# Altium PCB bqZUM_BT_328.PcbDoc (part 1 of 2)
Units mm, origin at the board's own origin, x right, y up, seen from the top; angles counter-clockwise.
Board outline 68.58 x 53.34 mm, 2 copper layers (Top Layer, Bottom Layer), stack 1.571 mm thick; 101 components, 75 nets, 426 pads, 143 vias.
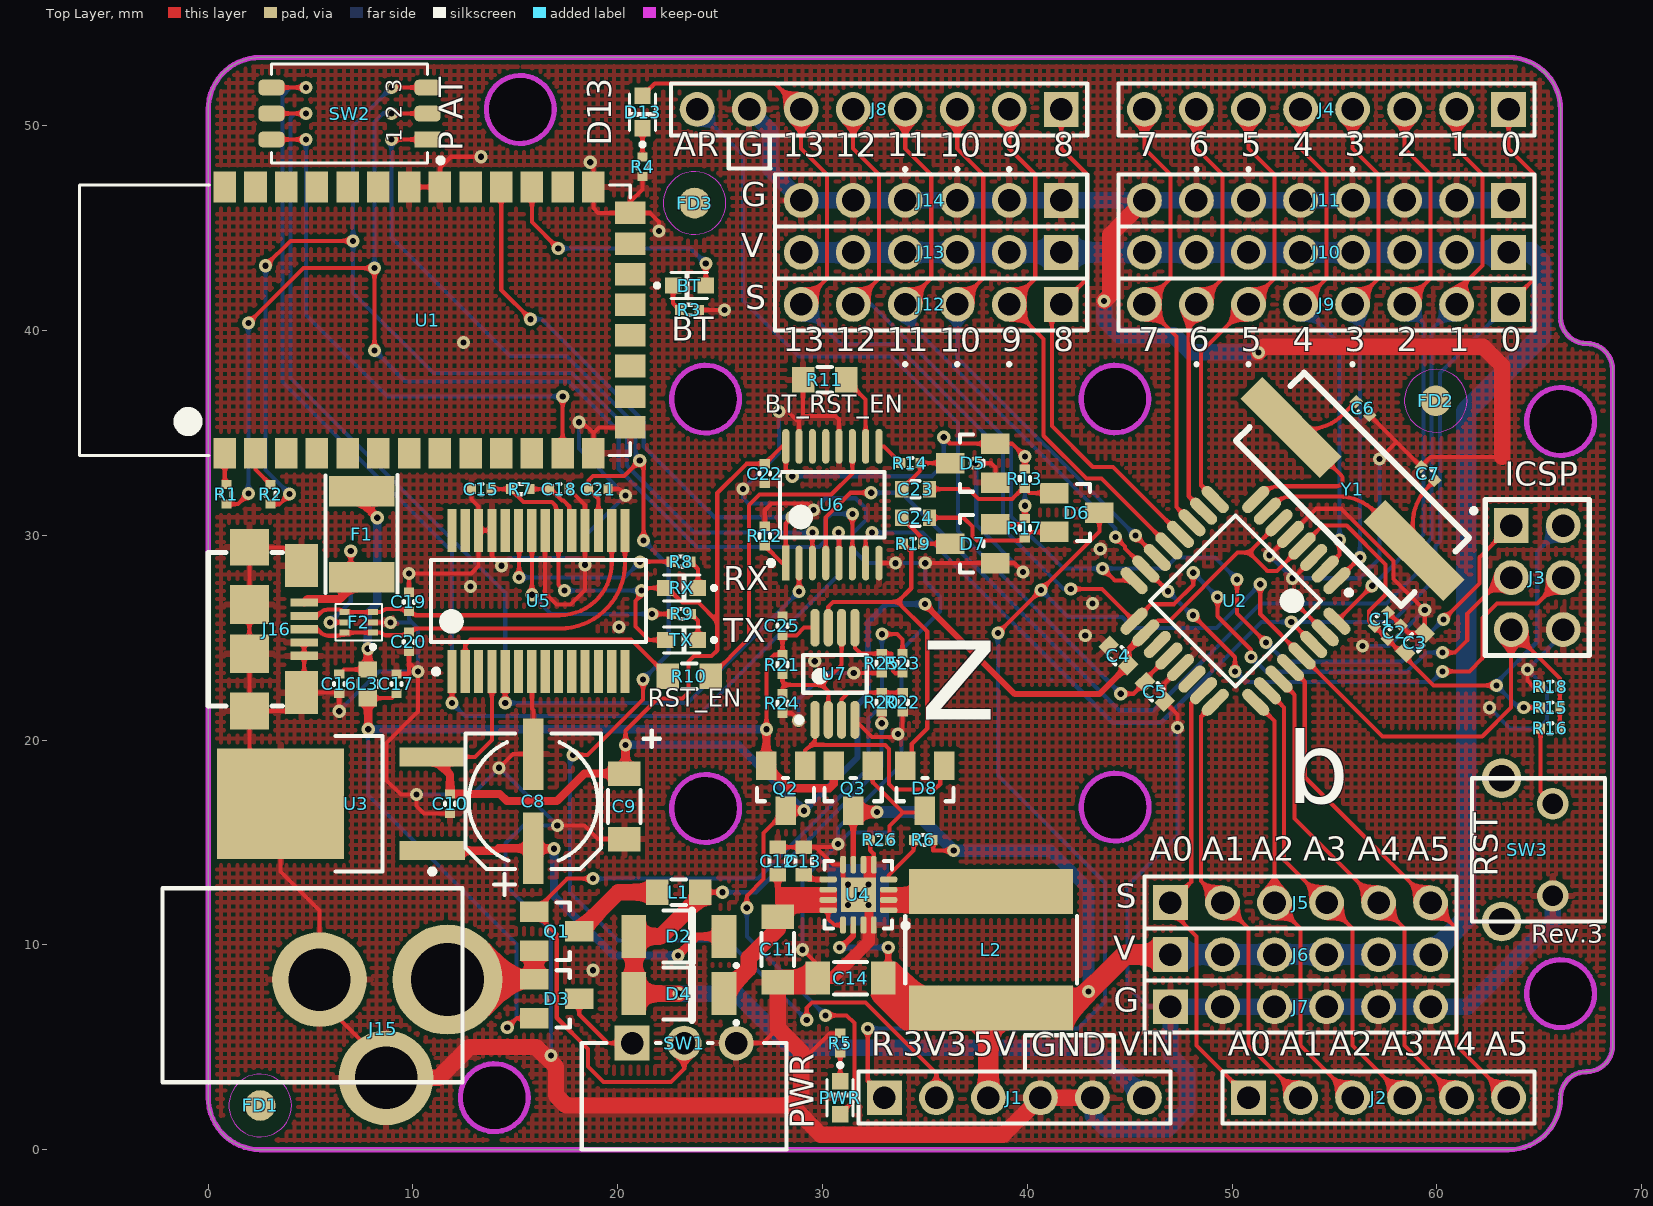
[diagram p0: Top Layer view]
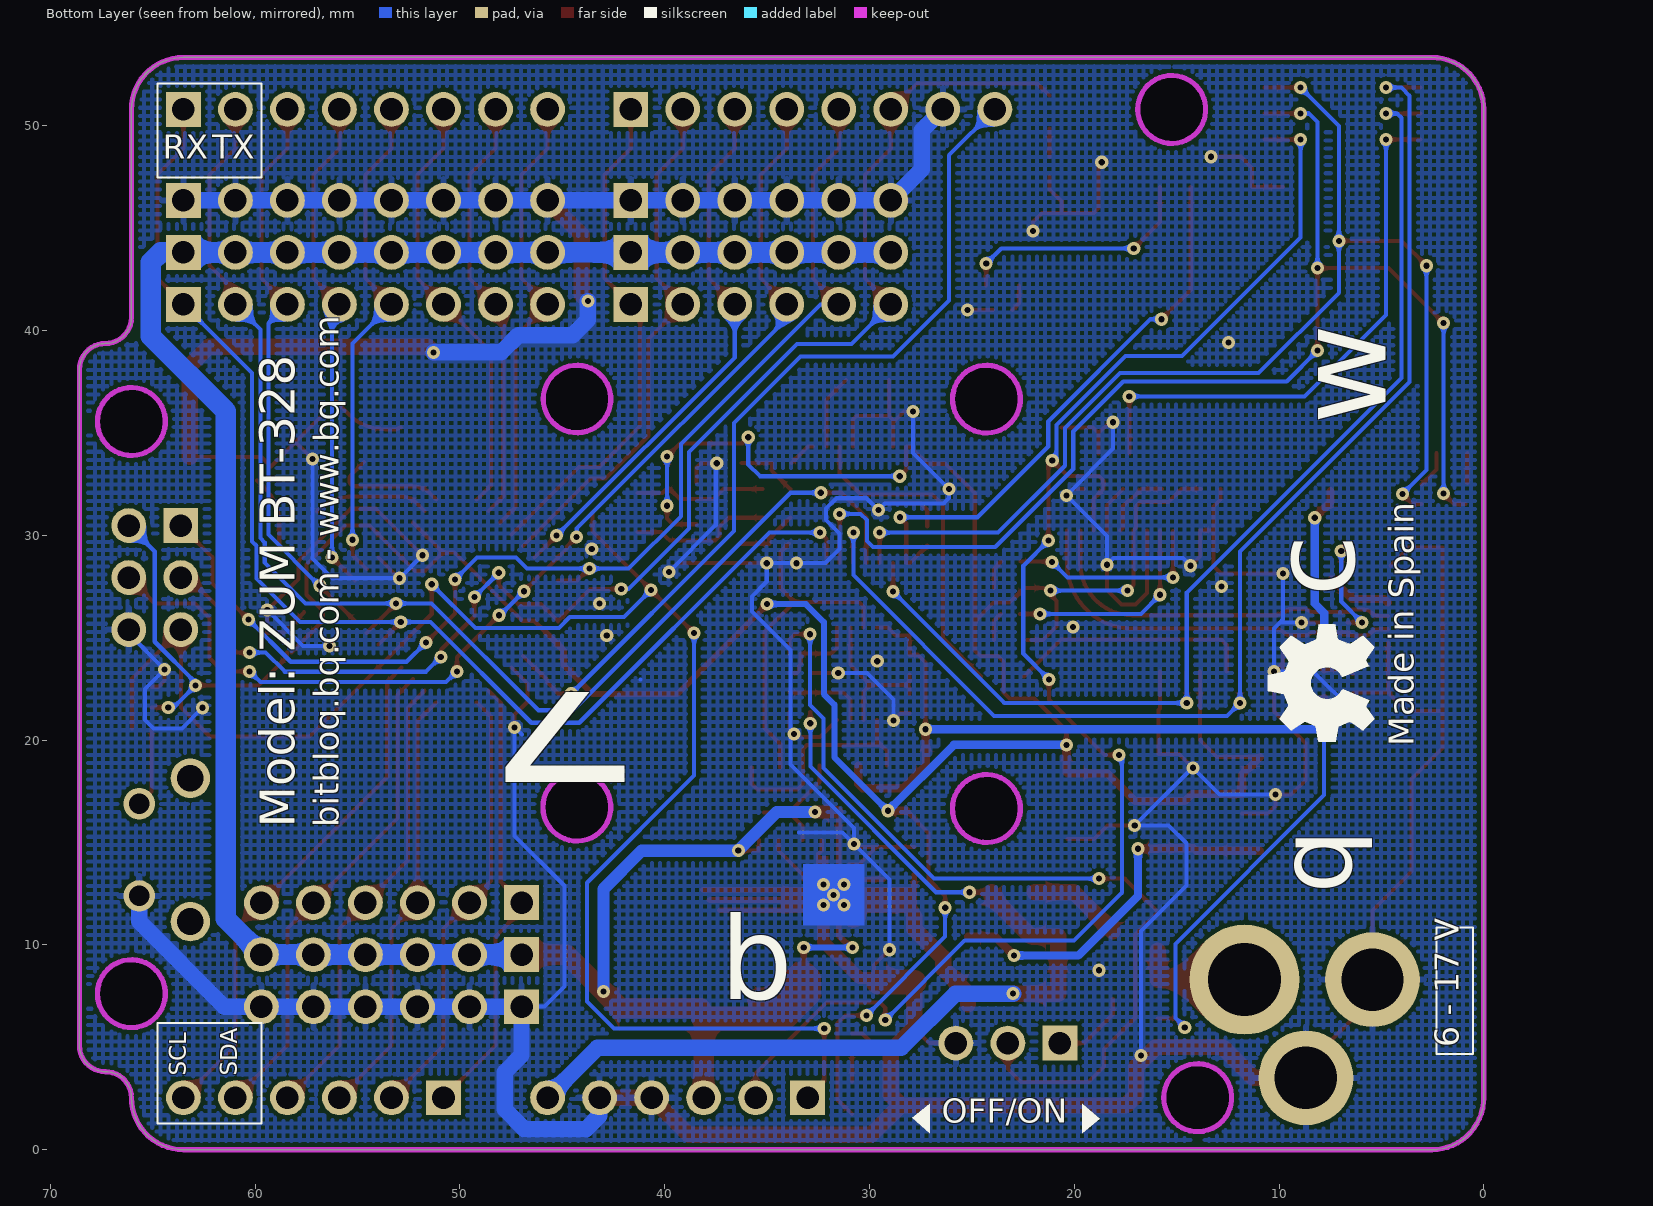
[diagram p1: Bottom Layer view, seen from below]

## Layer stack, top to bottom
Top Solder: solder mask 0.0102, Solder Resist, Dk 3.5
Top Layer: signal copper 0.0356
Dielectric 1: dielectric 1.5, FR-4, Dk 4.8
Bottom Layer: signal copper 0.0356
Bottom Solder: solder mask 0.0102, Solder Resist, Dk 3.5

## Board outline
0,2.54 0,50.8 cw(c2.54,50.8) 2.54,53.34 63.5,53.34 cw(c63.5,50.8) 66.04,50.8 66.04,40.64 ccw(c67.31,40.64) 67.31,39.37 cw(c67.31,38.1) 68.58,38.1 68.58,5.08 cw(c67.31,5.08) 67.31,3.81 ccw(c67.31,2.54) 66.04,2.54 cw(c63.5,2.54) 63.5,0 2.54,0 cw(c2.54,2.54)
cut-out: 12.319,2.54 ccw(c13.97,2.54) 13.97,0.889 ccw(c13.97,2.54) 15.621,2.54 ccw(c13.97,2.54) 13.97,4.191 ccw(c13.97,2.54)
cut-out: 22.639,36.67 ccw(c24.29,36.67) 24.29,35.019 ccw(c24.29,36.67) 25.941,36.67 ccw(c24.29,36.67) 24.29,38.321 ccw(c24.29,36.67)
cut-out: 42.639,36.67 ccw(c44.29,36.67) 44.29,35.019 ccw(c44.29,36.67) 45.941,36.67 ccw(c44.29,36.67) 44.29,38.321 ccw(c44.29,36.67)
cut-out: 42.639,16.67 ccw(c44.29,16.67) 44.29,15.019 ccw(c44.29,16.67) 45.941,16.67 ccw(c44.29,16.67) 44.29,18.321 ccw(c44.29,16.67)
cut-out: 22.639,16.67 ccw(c24.29,16.67) 24.29,15.019 ccw(c24.29,16.67) 25.941,16.67 ccw(c24.29,16.67) 24.29,18.321 ccw(c24.29,16.67)
cut-out: 13.589,50.8 ccw(c15.24,50.8) 15.24,49.149 ccw(c15.24,50.8) 16.891,50.8 ccw(c15.24,50.8) 15.24,52.451 ccw(c15.24,50.8)
cut-out: 64.389,35.56 ccw(c66.04,35.56) 66.04,33.909 ccw(c66.04,35.56) 67.691,35.56 ccw(c66.04,35.56) 66.04,37.211 ccw(c66.04,35.56)
cut-out: 64.389,7.62 ccw(c66.04,7.62) 66.04,5.969 ccw(c66.04,7.62) 67.691,7.62 ccw(c66.04,7.62) 66.04,9.271 ccw(c66.04,7.62)

## Design rules (kind name [scope] priority, off if disabled: settings)
Clearance Clearance_KO [OnLayer('Keep-Out Layer')] p1: gap=0.2
Clearance [All] p2: gap=0.2
DiffPairsRouting [All] p1: maxlimit=4 minlimit=0.4 mostfreqgap=0.4 toplayer_minwidth=0.2 toplayer_maxwidth=4 toplayer_prefwidth=0.2 bottomlayer_minwidth=0.2 bottomlayer_maxwidth=4 bottomlayer_prefwidth=0.2 maxuncoupledlength=12.7
HoleSize [All] p1: absolutevalues=TRUE maxlimit=3.6 minlimit=0.3 maxpercent=80.000 minpercent=20.000
MinimumSolderMaskSliver [All] p1: minsoldermaskwidth=0.07
PlaneClearance [All] p1: clearance=0.2
PlaneConnect [All] p1: planeconnectstyle=Relief reliefexpansion=0.64 reliefentries=4 reliefconductorwidth=0.3 reliefairgap=0.2
PolygonConnect [(InComponentClass('All Components'))] p1: connectstyle=Relief reliefconductorwidth=0.3 reliefentries=4 polygonreliefangle="90 Angle" airgapwidth=0.2
PolygonConnect PolygonConnect_Via [All] p2: connectstyle=Direct reliefconductorwidth=0.254 reliefentries=4 polygonreliefangle="90 Angle" airgapwidth=0.254
RoutingVias [All] p1: holewidth=0.3 width=0.64 viastyle="Through Hole" minholewidth=0.3 minwidth=0.64 maxholewidth=1 maxwidth=1.5
SilkToBoardRegionClearance [All] p1 off:
SilkToSilkClearance [All] p1: silktosilkclearance=0.1
SilkToSolderMaskClearance [IsPad] p1: minsilkscreentomaskgap=0 clearancetoexposedcopper=TRUE
SolderMaskExpansion [All] p1: expansion=0.08
UnpouredPolygon [All] p1: allowunpoured=FALSE
Width [All] p1: maxlimit=1.6 minlimit=0.2 preferedwidth=0.2
21 further rules are at their usual default settings.

## Classes and differential pairs
component class U_bqZUM_PowerManager: C24 D8 Q2 Q3 R20 R21 R22 R23 R24 R25 R26 U7
component class U_bqZUM_Autoreset: C23 C24 D5 D6 D7 R13 R14 R15 R16 R17 R18 R19 SW3
component class bqZUM_BT_328: FD1 FD2 FD3
net class D[13..0]: D0 D1 D2 D3 D4 D5 D6 D7 D8 D9 D10 D11 D12 D13
net class A[5..0]: A0 A1 A2 A3 A4 A5
component class U_bqZUM_USB: C15 C16 C17 C18 C19 C20 C21 F1 F2 J16 L3 R7 R8 R9 RX TX U5
component class U_bqZUM_usbBtAdapter: C22 R10 R11 R12 SW2 U6
component class U_bqZUM_Power: C8 C9 C10 C11 C12 C13 C14 D2 D3 D4 J15 L1 L2 PWR Q1 R5 R6 SW1 U3 U4
component class U_bqZUM_MCU: C1 C2 C3 C4 C5 C6 C7 D13 J1 J2 J3 J4 J5 J6 J7 J8 J9 J10 J11 J12 J13 J14 R4 U2 Y1
component class U_bqZUM_Bluetooth: BT R1 R2 R3 U1
differential pair USB_MCU: +USB_MCU_P -USB_MCU_N

## Components (designator, comment, footprint, x,y, rotation, side; value= is the part's Value field where it differs from the comment)
BT "Blue" LED0603 23.5,42.2 r270 top
C1 "Capacitor" C0402 57.277,25.908 r225 top
C2 "Capacitor" C0402 57.912,25.273 r225 top
C3 "Capacitor" C0603 58.928,24.765 r225 top
C4 "Capacitor" C0603 44.45,24.13 r315 top
C5 "Capacitor" C0603 46.228,22.352 r135 top
C6 "Capacitor" C0402 56.388,36.195 r135 top
C7 "Capacitor" C0402 59.563,33.02 r315 top
C8 "Electrolytic" CASE_D_7.7 15.875,17.018 r90 top
C9 "Tantalum" C1206 20.32,16.764 r270 top
C10 "Capacitor" C0402 11.811,16.891 r90 top
C11 "Capacitor" C1206 27.813,9.779 r90 top
C12 "Capacitor" C0603 27.813,14.097 r270 top
C13 "Capacitor" C0603 29.083,14.097 r270 top
C14 "Capacitor" C1206 31.369,8.382 r0 top
C15 "Capacitor" C0402 13.335,32.258 r0 top
C16 "Capacitor" C0402 6.397,22.75 r90 top
C17 "Capacitor" C0402 9.191,22.75 r270 top
C18 "Capacitor" C0402 17.145,32.258 r180 top
C19 "Capacitor" C0402 9.8,26.75 r270 top
C20 "Capacitor" C0402 9.8,24.8 r90 top
C21 "Capacitor" C0402 19.05,32.258 r0 top
C22 "Capacitor" C0402 27.178,33.02 r270 top
C23 "Capacitor" C0603 34.544,32.258 r0 top
C24 "Capacitor" C0603 34.544,30.861 r0 top
C25 "Capacitor" C0402 28.044,25.583 r90 top
D2 "PMEG3030EP" SOD128 22.987,10.414 r0 top
D3 "BAT54C-G3-08" SOT23-3 17.02,7.365 r90 top
D4 "PMEG3030EP" SOD128 22.987,7.62 r0 top
D5 "BAT54S" SOT23-3 37.338,33.528 r270 top
D6 "BAT54A-G3-08" SOT23-3 42.418,31.115 r90 top
D7 "BAT54S" SOT23-3 37.338,29.591 r270 top
D8 "BAT54C-G3-08" SOT23-3 34.999,17.653 r0 top
D13 "Green" LED0603 21.209,50.673 r0 top
F1 "PTC_Fuse" F1812 7.49,30.05 r90 top
F2 "ESDUSB" SOT563 7.35,25.75 r180 top
FD1 "Fiducial" Fiducial 2.54,2.159 r0 top
FD2 "Fiducial" Fiducial 59.944,36.576 r0 top
FD3 "Fiducial" Fiducial 23.749,46.228 r0 top
J1 "1x6 Socket Header 2.54mm" "1x6 Socket Header THT 2.54mm" 33.02,2.54 r0 top
J2 "1x6 Socket Header 2.54mm" "1x6 Socket Header THT 2.54mm" 50.8,2.54 r0 top
J3 "2x3 pin Header 2.54mm" "2x3 Pin Header 2.54" 63.627,30.48 r270 top
J4 "1x8 Socket Header 2.54mm" "1x8 Socket Header THT 2.54mm" 63.5,50.8 r180 top
J5 "1x6 pin Header 2.54mm" "1x6 Pin Header 2.54" 46.99,12.065 r0 top
J6 "1x6 pin Header 2.54mm" "1x6 Pin Header 2.54" 46.99,9.525 r0 top
J7 "1x6 pin Header 2.54mm" "1x6 Pin Header 2.54" 46.99,6.985 r0 top
J8 "1x8 Socket Header 2.54mm" "1x8 Socket Header THT 2.54mm" 41.656,50.8 r180 top
J9 "1x8 pin Header 2.54mm" "1x8 Pin Header 2.54" 63.5,41.275 r180 top
J10 "1x8 pin Header 2.54mm" "1x8 Pin Header 2.54" 63.5,43.815 r180 top
J11 "1x8 pin Header 2.54mm" "1x8 Pin Header 2.54" 63.5,46.355 r180 top
J12 "1x6 pin Header 2.54mm" "1x6 Pin Header 2.54" 41.656,41.275 r180 top
J13 "1x6 pin Header 2.54mm" "1x6 Pin Header 2.54" 41.656,43.815 r180 top
J14 "1x6 pin Header 2.54mm" "1x6 Pin Header 2.54" 41.656,46.355 r180 top
J15 "Power_Jack" "Jack 2.1" 11.684,8.306 r270 top
J16 "USB_Micro_Type_B" USB_Micro_B 3.349,25.417 r270 top
L1 "742792012" L0805 22.987,12.573 r0 top
L2 "2,2uH 6,3A" SRN8040 38.23,9.76 r270 top
L3 "BLM18SG121TN1D" L0603 7.794,22.75 r270 top
PWR "Green" LED0603 30.861,2.54 r180 top
Q1 "DMP3098L-7" SOT23-3 17.019,10.668 r90 top
Q2 "DMP2035U-7" SOT23-3 28.194,17.653 r0 top
Q3 "DMP2035U-7" SOT23-3 31.496,17.653 r0 top
R1 "Resistor" R0402 0.889,32.004 r270 top
R2 "Resistor" R0402 3.048,32.004 r270 top
R3 "Resistor" R0402 23.5,41.01 r180 top
R4 "Resistor" R0402 21.209,48.006 r90 top
R5 "Resistor" R0402 30.861,5.207 r270 top
R6 "Resistor" R0402 34.925,15.125 r0 top
R7 "Resistor" R0402 15.24,32.258 r180 top
R8 "Resistor" R0402 23.088,28.715 r0 top
R9 "Resistor" R0402 23.114,26.162 r0 top
R10 "Resistor" R0805 23.495,23.114 r0 top
R11 "Resistor" R0805 30.099,37.592 r0 top
R12 "Resistor" R0402 27.178,29.972 r270 top
R13 "Resistor" R0402 39.878,32.766 r90 top
R14 "Resistor" R0402 34.29,33.528 r0 top
R15 "Resistor" R0402 65.532,21.59 r180 top
R16 "Resistor" R0402 65.532,20.574 r0 top
R17 "Resistor" R0402 39.878,30.353 r90 top
R18 "Resistor" R0402 65.532,22.606 r0 top
R19 "Resistor" R0402 34.417,29.591 r0 top
R20 "Resistor" R0402 32.893,21.844 r270 top
R21 "Resistor" R0402 28.044,23.69 r90 top
R22 "Resistor" R0402 33.911,21.844 r90 top
R23 "Resistor" R0402 33.906,23.749 r90 top
R24 "Resistor" R0402 28.044,21.79 r90 top
R25 "Resistor" R0402 32.893,23.749 r90 top
R26 "Resistor" R0402 32.802,15.125 r0 top
RX "Green" LED0603 23.114,27.432 r90 top
SW1 "SPDT Switch" "Slide SW SPDT Right Angle" 20.701,5.207 r0 top
SW2 "SW DIP3 Vertical SMD" "SW DIP3 SMD 1.27" 6.9,50.6 r90 top
SW3 "Switch" SW_Vert_THT_7.5x6x6.5 65.659,16.891 r270 top
TX "Red" LED0603 23.114,24.892 r90 top
U1 "BC04-B" BC04-B 10.64,40.51 r90 top
U2 "ATMEGA328P" TQFP32 50.165,26.797 r225 top
U3 "TL720M05QKVURQ1" TO-252 5.461,16.891 r180 top
U4 "TPS62133RGTR" QFN16 31.75,12.446 r180 top
U5 "FT232RL REEL" SSOP28 16.129,26.797 r90 top
U6 "SN74CBT3257CPWR" TSSOP16 30.48,31.496 r0 top
U7 "LMV612MM/NOPB" VSSOP8 30.607,23.241 r90 top
Y1 "ABLS-16.000MHZ-B4-T" "XTAL 11.4x4.7" 55.88,32.258 r315 top

## Footprints (in the part's own frame and the unit in brackets; to place one, negate y for a bottom-side part, rotate by r counter-clockwise, add the part's x,y. Pads: shape width x height; smd on the part's side, far side on the other; paste and mask are expansions set on the pad)
"1x6 Pin Header 2.54" [mm] "6 pin Header pitch 2.54mm"
  rect 1.7x1.7 hole 1.1: 1(0,0)
  round 1.7 hole 1.1: 2(2.54,0) 3(5.08,0) 4(7.62,0) 5(10.16,0) 6(12.7,0)
  silkscreen extent -1.27,-1.27 13.97,1.27, body extent -1.26,-1.25 13.98,1.29, height 8.43
"1x6 Socket Header THT 2.54mm" [mm] "6 Socket Header pitch 2.54mm"
  rect 1.7x1.7 hole 1.1: 1(0,0)
  round 1.7 hole 1.1: 2(2.54,0) 3(5.08,0) 4(7.62,0) 5(10.16,0) 6(12.7,0)
  silkscreen extent -1.27,-1.27 13.97,1.27, body extent -1.39,-1.25 14.1,1.25, height 8.5
"1x8 Pin Header 2.54" [mm] "8 pin Header pitch 2.54mm"
  rect 1.7x1.7 hole 1.1: 1(0,0)
  round 1.7 hole 1.1: 2(2.54,0) 3(5.08,0) 4(7.62,0) 5(10.16,0) 6(12.7,0) 7(15.24,0) 8(17.78,0)
  silkscreen extent -1.27,-1.27 19.05,1.27, body extent -1.26,-1.25 19.06,1.29, height 8.43
"1x8 Socket Header THT 2.54mm" [mm] "8 Socket Header pitch 2.54mm"
  rect 1.7x1.7 hole 1.1: 1(0,0)
  round 1.7 hole 1.1: 2(2.54,0) 3(5.08,0) 4(7.62,0) 5(10.16,0) 6(12.7,0) 7(15.24,0) 8(17.78,0)
  silkscreen extent -1.27,-1.27 19.05,1.27, body extent -1.4,-1.23 19.17,1.27, height 8.5
"2x3 Pin Header 2.54" [mm] "6 dual pin Header pitch 2.54mm"
  rect 1.7x1.7 hole 1.1: 1(0,0)
  round 1.7 hole 1.1: 2(0,2.54) 3(2.54,0) 4(2.54,2.54) 5(5.08,0) 6(5.08,2.54)
  silkscreen extent -1.27,-1.27 6.35,3.81, body extent -1.25,-1.27 6.37,3.81, height 5.94
BC04-B [mm] "BC04-B Bluetooth Module"
  rect 1.5x1.1 smd: 1(-6.5,9.831) 2(-6.5,8.33) 3(-6.5,6.83) 4(-6.5,5.33) 5(-6.5,3.831) 6(-6.5,2.331) 7(-6.5,0.831) 8(-6.5,-0.67) 9(-6.5,-2.17) 10(-6.5,-3.669) 11(-6.5,-5.169) 12(-6.5,-6.669) 13(-6.5,-8.17) 22(6.5,-8.17) 23(6.5,-6.669) 24(6.5,-5.169) 25(6.5,-3.669) 26(6.5,-2.17) 27(6.5,-0.67) 28(6.5,0.831) 29(6.5,2.331) 30(6.5,3.831) 31(6.5,5.33) 32(6.5,6.83) 33(6.5,8.33) 34(6.5,9.831)
  rect 1.1x1.5 smd: 14(-5.24,-9.97) 15(-3.74,-9.97) 17(-0.74,-9.97) 18(0.74,-9.97) 19(2.24,-9.97) 20(3.74,-9.97) 21(5.24,-9.97)
  rect 1.1x1.5 smd paste+0: 16(-2.24,-9.97)
  silkscreen extent -6.6,-9.97 6.6,16.93, body extent -6.5,-9.97 6.5,16.93, height 2.4
C0402 [mm] "Chip Capacitor, Body 1.0x0.5mm, IPC High Density"
  rect 0.45x0.5 smd: 1(-0.475,0) 2(0.475,0)
  silkscreen extent -0.05,-0.25 0.05,0.25, body extent -0.51,-0.25 0.49,0.25, height 0.5
C0603 [mm] "Chip Capacitor, Body 1.6x0.8mm, IPC High Density"
  rect 0.65x0.8 smd: 1(-0.675,0) 2(0.675,0)
  silkscreen extent -0.2,-0.4 0.2,0.4, body extent -0.81,-0.4 0.79,0.4, height 0.6
C1206 [mm] "Chip Capacitor, Body 3.2x1.6mm, IPC High Density"
  rect 1.2x1.6 smd: 1(-1.6,0) 2(1.6,0)
  silkscreen extent -0.8,-0.8 0.8,0.79, body extent -1.59,-0.8 1.61,0.8, height 1
CASE_D_7.7 [mm] "SMD Al Capacitor, Flat 6.6x6.6mm, Diameter 6.3mm"
  rect 3.5x1 smd: 1(-2.3,0) 2(2.3,0)
  silkscreen extent -4.57,-3.3 3.3,3.3, body extent -3.5,-3.3 3.5,3.3, height 7.7
F1812 [mm] "PTC Resettable Fuse 1812 package  4.55mm x 3.24mm"
  rect 1.5x3.2 smd: 1(-2.1,0) 2(2.1,0)
  silkscreen extent -2.87,-1.75 2.9,1.75, body extent -2.36,-1.7 2.37,1.71, height 1.34
Fiducial [mm] "Marcas Fiduciales para montador"
  round 1.5 smd paste+0 mask+0.75: ""(0,0)
  Top Layer keep-out circle w0.05: c0,0 r1.53
"Jack 2.1" [mm] "DC Power Jack 2,1mm"
  round 5.38 hole 3.56: 1(0,0)
  round 4.62 hole 3.05: 2(4.8,-3) 3(0,-6.25)
  silkscreen extent -4.46,-13.91 5.01,0.73, body extent -4.44,-13.86 5.08,0.74, height 10.92
L0603 [mm] "Chip Inductor, Body 1.6x0.8mm, IPC High Density"
  rect 0.8x0.9 smd: 1(-0.7,0) 2(0.7,0)
  silkscreen extent -0.21,-0.5 0.21,0.5, body extent -0.81,-0.4 0.79,0.4, height 0.6
L0805 [mm] "Chip Inductor Body 2.0x1.25mm, IPC High Density"
  rect 1.1x1.25 smd: 1(-1.05,0) 2(1.05,0)
  silkscreen extent -0.35,-0.62 0.35,0.62, body extent -0.98,-0.62 1.02,0.63, height 0.78
LED0603 [mm] "0603 1.6x0.8mm"
  rect 0.8x0.8 smd: A(0,0.8) K(0,-0.8)
  silkscreen extent -0.64,-1.69 0.64,0.89, body extent -0.37,-0.81 0.36,0.84, height 0.68
QFN16 [mm] "QFN 16-Lead, 3x3mm body, IPC Medium Density"
  rrect70% 0.85x0.28 smd mask+0.07: 1(-1.475,0.75) 2(-1.475,0.25) 3(-1.475,-0.25) 4(-1.475,-0.75) 9(1.475,-0.75) 10(1.475,-0.25) 11(1.475,0.25) 12(1.475,0.75)
  rrect70% 0.28x0.85 smd mask+0.07: 5(-0.75,-1.475) 6(-0.25,-1.475) 7(0.25,-1.475) 8(0.75,-1.475) 13(0.75,1.475) 14(0.25,1.475) 15(-0.25,1.475) 16(-0.75,1.475)
  rect 1.7x1.7 smd mask+0.05: 16(0,0)
  silkscreen extent -2.43,-1.65 1.65,1.65, body extent -1.5,-1.5 1.5,1.5, height 0.9
R0402 [mm] "Chip Resistor, Body 1.0x0.5mm, IPC High Density"
  rect 0.45x0.5 smd: 1(-0.475,0) 2(0.475,0)
  silkscreen extent -0.1,-0.25 0.1,0.25, body extent -0.5,-0.25 0.5,0.25, height 0.3
R0805 [mm] "Chip Resistor, Body 2.0x1.25mm, IPC High Density"
  rect 1.1x1.25 smd: 1(-1.05,0) 2(1.05,0)
  silkscreen extent -0.35,-0.62 0.35,0.62, body extent -0.98,-0.62 1.02,0.63, height 0.39
"Slide SW SPDT Right Angle" [mm] "3 pin SPDT Right Angle Switch pitch 2.54mm"
  rect 1.7x1.7 hole 1.1: 1(0,0)
  round 1.7 hole 1.1: 2(2.54,0) 3(5.08,0)
  silkscreen extent -2.46,-5.2 7.54,0, body extent -2.47,-7.19 7.53,0.32, height 2.5
SOD128 [mm] "Small Outline 2.7x4mm"
  rect 1.2x2.1 smd: A(-2.2,0) K(2.2,0)
  silkscreen extent -0.75,-1.47 2.85,1.27, body extent -2.61,-1.35 2.59,1.35, height 1.11
SOT23-3 [mm] "SOT23, 3-Leads, Body 2.9x1.3mm, Pitch 0.95mm, Lead Span 2.5mm, IPC High Density"
  rect 1x1.4 smd: 1(0.95,1.1) 2(-0.95,1.1) 3(0,-1.1)
  silkscreen extent -1.4,-0.64 1.4,0.51, body extent -1.44,-1.45 1.46,1.35, height 1.07
SOT563 [mm] "SOT563, 6-Leads, Body 1,60x1,20mm, Pitch 0,50mm, IPC Medium Density"
  rect 0.5x0.3 smd paste+0 mask+0.05: 1(-0.7,0.5) 2(-0.7,0) 3(-0.7,-0.5) 4(0.7,-0.5) 5(0.7,0) 6(0.7,0.5)
  silkscreen extent -1.14,-0.89 1.14,1.3, body extent -0.8,-0.8 0.8,0.8, height 0.55
SRN8040 [mm] "SRN8040 Series Inductor, 2-Leads, Body 8,00x8,00mm, IPC Medium Density"
  rect 2.2x8 smd: 1(-2.85,0) 2(2.85,0)
  silkscreen extent -1.65,-4.19 1.65,4.19, body extent -4.01,-4 4.01,4, height 4
SSOP28 [mm] "SSOP 28-pin, 7.80mm width, 10.20mm length, 2mm height"
  rect 2.1x0.45 smd mask+0.05: 1(-3.45,4.225) 2(-3.45,3.575) 3(-3.45,2.925) 4(-3.45,2.275) 5(-3.45,1.625) 6(-3.45,0.975) 7(-3.45,0.325) 8(-3.45,-0.325) 9(-3.45,-0.975) 10(-3.45,-1.625) 11(-3.45,-2.275) 12(-3.45,-2.925) 13(-3.45,-3.575) 14(-3.45,-4.225) 15(3.45,-4.225) 16(3.45,-3.575) 17(3.45,-2.925) 18(3.45,-2.275) 19(3.45,-1.625) 20(3.45,-0.975) 21(3.45,-0.325) 22(3.45,0.325) 23(3.45,0.975) 24(3.45,1.625) 25(3.45,2.275) 26(3.45,2.925) 27(3.45,3.575) 28(3.45,4.225)
  silkscreen extent -3.57,-5.25 2,5.25, body extent -4.04,-5.25 4.18,5.25, height 1.92
"SW DIP3 SMD 1.27" [mm] "SWITCH 3 POS SMD 1.27mm pitch"
  rect 0.76x1.27 smd: 1(-1.27,-3.81)
  rrect50% 0.76x1.27 smd: 2(0,-3.81) 3(1.27,-3.81) 4(1.27,3.81) 5(0,3.81) 6(-1.27,3.81)
  silkscreen extent -2.41,-4.56 2.41,3.81, body extent -2.42,-4 2.43,4, height 2.1
SW_Vert_THT_7.5x6x6.5 [mm] "Vertical Switch THT"
  round 1.54 hole 1: 1(0,0) 2(4.5,0)
  round 1.93 hole 1.3: 3(-1.25,-2.5) 4(5.75,-2.5)
  silkscreen extent -1.25,-3.95 5.75,2.55, body extent -1.84,-3.95 6.34,3.85, height 7.1
TO-252 [mm] "TO-252, 3-Pads, Body 6,21x6,71mm (max), IPC Medium Density"
  rect 3.2x0.93 smd: 1(-5.478,2.29) 3(-5.478,-2.29)
  rect 6.2x5.4 smd: 2(1.922,0)
  silkscreen extent -5.6,-3.3 -0.76,3.43, body extent -5.81,-3.27 4.13,3.27, height 2.3
TQFP32 [mm] "Thin QFP, 32-Leads, Body 7x7mm, Pitch 0.8mm, IPC Medium Density"
  oval 1.65x0.55 smd: 1(-4.2,2.8) 2(-4.2,2) 3(-4.2,1.2) 4(-4.2,0.4) 5(-4.2,-0.4) 6(-4.2,-1.2) 7(-4.2,-2) 8(-4.2,-2.8) 17(4.2,-2.8) 18(4.2,-2) 19(4.2,-1.2) 20(4.2,-0.4) 21(4.2,0.4) 22(4.2,1.2) 23(4.2,2) 24(4.2,2.8)
  oval 0.55x1.65 smd: 9(-2.8,-4.2) 10(-2,-4.2) 11(-1.2,-4.2) 12(-0.4,-4.2) 13(0.4,-4.2) 14(1.2,-4.2) 15(2,-4.2) 16(2.8,-4.2) 25(2.8,4.2) 26(2,4.2) 27(1.2,4.2) 28(0.4,4.2) 29(-0.4,4.2) 30(-1.2,4.2) 31(-2,4.2) 32(-2.8,4.2)
  silkscreen extent -4.32,-2.95 2.95,3.75, body extent -4.47,-4.5 4.53,4.5, height 1.6
TSSOP16 [mm] "TSSOP, 16-Leads, Body 5.0x4.4mm, Pitch 0.65mm"
  rect 0.35x1.7 smd: 1(-2.275,-2.85)
  oval 0.35x1.7 smd: 2(-1.625,-2.85) 3(-0.975,-2.85) 4(-0.325,-2.85) 5(0.325,-2.85) 6(0.975,-2.85) 7(1.625,-2.85) 8(2.275,-2.85) 9(2.275,2.85) 10(1.625,2.85) 11(0.975,2.85) 12(0.325,2.85) 13(-0.325,2.85) 14(-0.975,2.85) 15(-1.625,2.85) 16(-2.275,2.85)
  silkscreen extent -3.12,-2.97 2.55,1.6, body extent -2.56,-3.23 2.54,3.17, height 1.2
USB_Micro_B [mm] "USB Micro Type B SMD"
  rect 0.4x1.35 smd: 1(-1.3,1.338) 2(-0.65,1.338) 3(0,1.338) 4(0.65,1.338) 5(1.3,1.338)
  rect 1.8x1.9 smd: S1(-4,-1.337) S4(4,-1.337)
  rect 1.9x1.9 smd: S2(-1.2,-1.337) S3(1.2,-1.337)
  rect 2.1x1.6 smd: S5(-3.1,1.213) S6(3.1,1.213)
  silkscreen extent -3.75,-3.35 3.75,0.26, body extent -4.1,-3.93 4.1,2, height 2.72
VSSOP8 [mm] "Plastic Small-Outline Package 3.1x5.05 mm"
  oval 1.85x0.45 smd mask+0.05: 1(-2.25,0.975) 2(-2.25,0.325) 3(-2.25,-0.325) 4(-2.25,-0.975) 5(2.25,-0.975) 6(2.25,-0.325) 7(2.25,0.325) 8(2.25,0.975)
  silkscreen extent -2.37,-1.55 0.92,1.87, body extent -1.55,-1.55 1.55,1.55, height 1.1
"XTAL 11.4x4.7" [mm] "Crystal Oscillator 2 pin SMD"
  rect 5.5x1.5 smd: 1(-4.25,0) 2(4.25,0)
  silkscreen extent -5.7,-2.35 5.7,2.35, body extent -6.2,-2.41 6.2,2.42, height 4.24

## Part data
BT: library part LTST-C194TBKT, "Light Emitting Diode"
C1: library part C0402_10nF_6V3_±10%
C2 C10 C15 C17 C18 C21 C22 C25: library part C0402_100nF_6V3_±10%
C3 C4 C5 C23 C24: library part C0603_1uF_16V_±10%
C6 C7: library part C0402_22pF_16V_±10%
C8: library part Cap_Al_100uF_25V, "Capacitor Electrolytic"
C9: library part 22uF_10V_±20%, "Tantalum Capacitor"
C11: library part C1206_10uF_50V_±20%
C12: library part C0603_100nF_25V_±10%
C13: library part C0603_620pF_25V_±5%
C14: library part C1206_22uF_10V_±20%
C16: library part C0402_10nF_16V_±10%
C19 C20: library part C0402_47pF_16V_±10%
D2 D4: "Diodo Schottky"
D3 D8: library part BAT54C, "Dual Schottky Diode Common Cathode"
D5 D7: "Dual Schottky Diode"
D6: library part BAT54A, "Dual Schottky Diode Common Anode"
D13 PWR RX: library part HSMG-C190, "Light Emitting Diode"
F1: library part "FUSE 0.5A 15V", "PTC Resettable Fuse"
F2: library part "USB ESD Single", "USB ESD Protection"
J1 J2: library part CON_SH_THT2.54_6, "6 pin Socket Header 2.54mm"
J3: library part CON_DPH_THT2.54_6, "6 pin Dual Header 2.54mm"
J4 J8: library part CON_SH_THT2.54_8, "8 pin Socket Header 2.54mm"
J5: library part "CON_PH_THT2.54_6 Blue"
J6 J13: library part "CON_PH_THT2.54_6 Red"
J7 J14: library part CON_PH_THT2.54_6
J9: library part "CON_PH_THT2.54_8 Natural"
J10: library part "CON_PH_THT2.54_8 Red"
J11: library part CON_PH_THT2.54_8
J12: library part "CON_PH_THT2.54_6 Natural"
J15: library part "DC Power Jack", "DC Power Jack"
J16: library part "Micro USB Type B SMD", "USB Micro B"
L1: library part L0805_33R_0,008R_4000mA
L2: library part 2,2uH_6,3A
L3: library part L0603_120R_0,025R_3000mA
Q1: library part DMP3098L, "Mosfet Channel P Enhancement Mode"
Q2 Q3: library part DMP2035U, "Mosfet Channel P Enhancement Mode"
R1 R2: library part R0402_220R_0.063W_±5%
R3: library part R0402_430R_0.063W_±5%
R4 R5 R8 R9: library part R0402_330R_0.063W_±5%
R6: library part R0402_100k_0.063W_±1%
R7: library part R0402_1k_0.063W_±5%
R10 R11: library part R0805_0R_0.125W_±5%
R12: library part R0402_47k_0.063W_±5%
R13 R15 R17: library part R0402_10k_0.063W_±5%
R14 R19: library part R0402_470R_0.063W_±5%
R16: library part R0402_33R_0.063W_±5%
R18: library part R0402_150k_0.063W_±5%
R20 R21: library part R0402_82k_0.063W_±1%
R22: library part R0402_18k_0.063W_±1%
R23: library part R0402_820k_0.063W_±1%
R24: library part R0402_20k_0.063W_±1%
R25: library part R0402_270k_0.063W_±1%
R26: library part R0402_51k_0.063W_±1%
SW1: library part "Switch SPDT"
SW2: library part "SW-DIP 3 SMD", "SWITCH TAPE SEAL 3 POS SMD"
SW3: library part "SW Vertical THT", "Micro miniature pushbutton surface Switch"
TX: library part HSMH-C190, "Light Emitting Diode"
U1: "BC04-B Bluetooth module"
U2: "8-bit AVR Microcontroller"
U3: library part TL720M05-Q1, "Standard 3pin LDO"
U4: library part TPS62133, "3A High Efficient Synchronous Step Down Converter with DCS™ Control"
U5: library part FT232RL, "IC USB TO SERIAL UART 28-SSOP"
U6: library part SN74CBT3257, "4-bit 1-of-2 FET multiplexer/demultiplexer"
U7: library part LMV612, "Dual Operational Amplifier"
Y1: library part "ABLS 16MHz", "Crystal"

## Free pads (board coordinates)
  round 1.524 hole 3.3 unplated: 0(13.97,2.54) 0(15.24,50.8) 0(24.29,16.67) 0(24.29,36.67) 0(44.29,16.67) 0(44.29,36.67) 0(66.04,7.62) 0(66.04,35.56)

## Via types
v1: diameter 0.64, hole 0.3, Top Layer to Bottom Layer, 143 vias

## Nets (pads, with @x,y where several pads share a name; then routed paths per layer and width w, separated by ;. In a path a pad name is that pad's centre, name@x,y a point inside that pad or via, vN(x,y) a via of type N, cw(c..) or ccw(c..) an arc to the next point about the centre after c; other vN are vias at no path point)
3V_SW: SW2.6 U1.12 | length 27.2
  Top Layer w0.2: SW2.6@3.09,49.33 v1(4.772,49.33) ; U1.12@17.309,34.01 17.309,36.784 v1(17.314,36.788)
  Bottom Layer w0.2: v1(4.772,49.33) 4.772,40.763 8.747,36.788 v1(17.314,36.788)
5V_HP: C14.2 J1.3 J6.1 J6.2 J6.3 J6.4 J6.5 J6.6 J10.1 J10.2 J10.3 J10.4 J10.5 J10.6 J10.7 J10.8 J13.1 J13.2 J13.3 J13.4 J13.5 J13.6 L2.2 Q3.3 R6.2 U4.7 U4.14 | length 135.8
  Top Layer w0.2: R6.2@35.4,15.125 35.4,14.605 v1(36.404,14.605)
  Top Layer w0.28: v1@30.821,9.837 v1(30.821,9.877) 30.929,9.877 31.5,10.448 U4.14@31.5,10.971 ; U4.7@31.5,13.921 Q3.3@31.5,16.549 ; C14.2@32.969,8.382 33.207,8.62 v1(33.207,9.877)
  Top Layer w0.6: Q3.3@31.563,16.486 v1(32.654,16.486)
  Top Layer w1: J1.3@38.1,2.54 L2.2@38.1,6.405 ; L2.2@38.23,6.91 42.159,6.91 44.774,9.525 J6.1@46.99,9.525
  Top Layer w1.2: L2.2@35.379,7.333 34.621,7.333 33.378,8.576 33.163,8.576 C14.2@32.969,8.382 32.969,7.624 34.188,6.405 L2.2@38.1,6.405
  Bottom Layer w0.28: v1(30.821,9.877) v1(33.207,9.877)
  Bottom Layer w0.6: v1(32.654,16.486) 34.523,16.486 v1(36.404,14.605) 41.119,14.605 42.99,12.734 v1(42.99,7.724)
  Bottom Layer w1: J13.6@28.956,43.815 J13.5@31.496,43.815 J13.4@34.036,43.815 J13.3@36.576,43.815 J13.2@39.116,43.815 J13.1@41.656,43.815 J10.8@45.72,43.815 J10.7@48.26,43.815 J10.6@50.8,43.815 J10.5@53.34,43.815 J10.4@55.88,43.815 J10.3@58.42,43.815 J10.2@60.96,43.815 J10.1@63.5,43.815 64.613,43.815 65.096,43.332 65.096,39.73 61.439,36.073 61.439,11.274 J6.6@59.69,9.525 J6.5@57.15,9.525 J6.4@54.61,9.525 J6.3@52.07,9.525 J6.2@49.53,9.525 J6.1@46.99,9.525
5V_REG: C1.2 C2.2 C3.2 C4.2 C9.1 C10.2 C15.2 C22.1 D5.2 D7.2 J3.2 PWR.A Q2.3 R7.2 R13.2 R15.2 R17.2 RX.A TX.A U2.4 U2.6 U2.18 U3.3 U5.4 U5.20 U6.16 | length 175.8
  Top Layer w0.2: U3.3@10.939,19.181 13.033,19.181 13.854,20.002 U5.4@13.854,23.347 ; C15.2@13.81,32.258 R7.2@14.765,32.258 15.4,31.623 16.777,31.623 16.979,31.421 16.979,30.372 U5.20@17.104,30.247 17.104,27.593 v1(17.391,27.306) ; v1(20.38,19.771) 20.38,20.458 21.953,22.031 23.155,22.031 23.46,22.336 23.46,23.832 23.731,24.103 24.572,24.103 24.857,24.388 24.857,25.793 ; TX.A@22.314,24.892 21.532,24.892 20.87,25.554 20.87,26.795 21.507,27.432 RX.A@22.314,27.432 22.443,27.432 23.163,26.712 23.938,26.712 24.857,25.793 ; v1(26.301,11.815) 26.301,12.399 27.113,13.211 27.113,15.472 Q2.3@28.194,16.553 ; v1(28.519,32.888) 28.205,33.202 U6.16@28.205,34.346 28.029,34.346 C22.1@27.178,33.495 26.286,33.495 24.857,32.066 24.857,25.793 ; v1(30.15,6.56) 31.179,6.56 31.561,6.178 31.561,2.44 PWR.A@30.861,1.74 ; v1(35.92,34.79) 36.232,34.478 D5.2@38.438,34.478 39.252,34.478 v1(39.878,33.851) R13.2@39.878,33.241 ; D7.2@38.438,30.541 39.591,30.541 R17.2@39.878,30.828 v1(39.878,31.445) v1@39.878,31.473 ; U2.18@45.781,25.241 46.369,25.829 46.944,25.829 50.271,29.156 50.827,29.156 ; U2.6@52.286,30.615 50.827,29.156 ; C3.2@58.226,24.288 C2.2@57.576,24.937 C1.2@56.941,25.572 56.688,25.825 56.688,26.299 57.489,27.1 57.489,28.582 55.597,30.474 54.408,30.474 U2.4@53.418,29.484 52.199,28.265 51.718,28.265 50.827,29.156 ; C3.2@58.451,24.288 58.451,24.059 59.839,22.671 v1(62.905,22.671) ; v1(64.242,21.593) R15.2@65.054,21.593
  Top Layer w0.3: v1(34.995,26.644) 39.394,22.245 43.52,22.245 C4.2@44.927,23.653 44.927,24.388 U2.18@45.781,25.241
  Top Layer w0.4: U3.3@10.939,19.181 11.811,18.309 C10.2@11.811,17.366 14.236,17.366 14.581,17.021 17.023,17.021 18.366,18.364 C9.1@20.32,18.364 ; C9.1@20.38,18.424 v1(20.38,19.771) ; Q2.3@28.194,16.553 v1(29.097,16.553)
  Bottom Layer w0.2: v1@17.394,27.303 v1(21.166,27.303) ; v1(26.301,11.815) 26.301,10.409 v1(30.15,6.56) ; v1(28.519,32.888) 35.341,32.888 35.92,33.467 v1(35.92,34.79) ; v1(39.878,31.445) v1(39.878,33.851) ; v1(64.242,21.593) 63.983,21.593 v1(62.905,22.671) 62.905,22.81 64.9,24.805 64.9,29.213 J3.2@66.167,30.48
  Bottom Layer w0.3: v1(29.097,16.553) 31.71,19.166 31.71,21.734 32.221,22.245 32.221,25.762 33.103,26.644 v1(34.995,26.644)
  Bottom Layer w0.4: v1(20.38,19.771) 25.879,19.771 v1(29.097,16.553)
5V_USB: C17.2 C25.1 D3.2 L3.2 Q2.2 Q3.2 R21.2 U7.8 | length 55.1
  Top Layer w0.2: L3.2@7.794,22.05 8.966,22.05 C17.2@9.191,22.275 ; v1(14.605,5.969) 15.051,6.415 D3.2@15.92,6.415 ; v1(27.261,20.533) 27.261,23.798 27.628,24.165 R21.2@28.044,24.165 C25.1@28.044,25.108 28.718,25.108 29.101,25.491 U7.8@29.632,25.491
  Top Layer w0.4: L3.2@7.794,22.05 v1(7.817,20.533) ; Q2.2@27.238,18.759 v1(27.261,20.533) ; Q2.2@27.244,18.753 28.344,17.653 30.337,17.653 30.546,17.862 Q3.2@30.546,18.753
  Bottom Layer w0.2: v1@7.794,20.51 7.794,17.312 15.052,10.054 15.052,6.433 14.605,5.987 v1(14.605,5.969)
  Bottom Layer w0.4: v1(7.817,20.533) v1(27.261,20.533)
A0: J2.1 J5.1 U2.23 | length 22.1
  Top Layer w0.2: U2.23@48.609,22.413 48.003,21.807 48.003,13.078 J5.1@46.99,12.065 46.99,11.684 48.26,10.414 48.26,5.08 J2.1@50.8,2.54
A1: J2.2 J5.2 U2.24 | length 21.6
  Top Layer w0.2: U2.24@49.175,21.847 48.477,21.149 48.477,13.118 J5.2@49.53,12.065 50.8,10.795 50.8,5.08 J2.2@53.34,2.54
A2: J2.3 J5.3 U2.25 | length 21.3
  Top Layer w0.2: U2.25@51.155,21.847 52.07,20.932 J5.3@52.07,12.065 53.34,10.795 53.34,5.08 J2.3@55.88,2.54
A3: J2.4 J5.4 U2.26 | length 22.6
  Top Layer w0.2: U2.26@51.721,22.413 52.539,21.595 52.539,14.136 J5.4@54.61,12.065 55.88,10.795 55.88,5.08 J2.4@58.42,2.54
A4: J2.5 J5.5 U2.27 | length 24
  Top Layer w0.2: U2.27@52.286,22.979 53.05,22.215 53.05,16.165 J5.5@57.15,12.065 58.42,10.795 58.42,5.08 J2.5@60.96,2.54
A5: J2.6 J5.6 U2.28 | length 25.4
  Top Layer w0.2: U2.28@52.852,23.544 53.546,22.85 53.546,18.209 J5.6@59.69,12.065 60.96,10.795 60.96,5.08 J2.6@63.5,2.54
AREF: C5.2 J8.8 U2.20 | length 42.8
  Top Layer w0.2: v1(44.561,22.265) 45.186,22.265 C5.2@45.751,22.829 ; C5.2@45.751,22.948 U2.20@46.912,24.11
  Bottom Layer w0.2: J8.8@23.876,50.8 26.112,48.564 26.112,41.461 28.843,38.73 33.36,38.73 36.612,35.478 36.612,30.214 v1(44.561,22.265)
BT_RX: R2.2 SW2.3 U6.3 | length 60
  Top Layer w0.2: v1(2.804,43.167) 4.019,44.382 v1(7.073,44.382) ; R2.2@3.048,31.529 3.487,31.529 v1(3.978,32.02) ; v1(8.944,51.87) SW2.3@10.71,51.87 ; U6.3@29.505,28.646 v1(29.505,30.132)
  Bottom Layer w0.2: v1(2.804,43.167) 2.804,33.194 v1(3.978,32.02) ; v1(8.944,51.87) 7.073,49.999 v1(7.073,44.382) 7.073,41.845 10.998,37.92 17.772,37.92 20.448,35.244 20.448,33.4 23.716,30.132 v1(29.505,30.132)
BT_TX: R1.2 SW2.2 U6.6 | length 62.9
  Top Layer w0.2: R1.2@0.889,31.529 1.464,31.529 v1(1.971,32.036) ; v1(1.959,40.362) 4.645,43.048 v1(8.119,43.048) v1(8.119,39.023) ; v1(8.944,50.6) SW2.2@10.71,50.6 ; U6.6@31.455,28.646 v1(31.455,31.047)
  Bottom Layer w0.2: v1@1.959,32.048 v1(1.959,40.362) ; v1(8.119,39.023) 9.622,37.52 17.606,37.52 20.048,35.078 20.048,33.235 23.857,29.426 29.826,29.426 30.129,29.729 30.129,30.742 30.434,31.047 v1(31.455,31.047) ; v1(8.119,43.048) 8.119,50.184 8.535,50.6 v1(8.944,50.6)
D0: J4.1 J9.1 U2.30 U6.7 | length 62.9
  Top Layer w0.2: U6.7@32.105,28.646 32.105,29.829 v1(32.412,30.136) ; v1(52.889,25.77) U2.30@53.983,24.676 ; J9.1@63.5,41.275 64.77,42.545 64.77,47.625 63.5,48.895 J4.1@63.5,50.8
  Bottom Layer w0.2: v1@32.412,30.135 34.887,30.135 44.172,20.85 46.515,20.85 51.435,25.77 v1(52.889,25.77) 57.804,25.77 59.931,27.897 59.931,29.492 60.145,29.706 60.145,37.92 J9.1@63.5,41.275
D1: J4.2 J9.2 U2.31 U6.4 | length 65.3
  Top Layer w0.2: U6.4@30.155,28.646 30.155,30.881 31.355,32.081 v1(32.375,32.081) ; v1(53.115,26.675) U2.31@54.549,25.241 ; J9.2@60.96,41.275 60.96,41.91 62.23,43.18 62.23,47.625 60.96,48.895 J4.2@60.96,50.8
  Bottom Layer w0.2: v1(32.375,32.081) 33.856,32.081 44.477,21.46 46.165,21.46 51.38,26.675 v1(53.115,26.675) 57.533,26.675 59.531,28.673 59.531,29.658 59.745,29.872 59.745,40.06 J9.2@60.96,41.275
D2: J4.3 J9.3 U2.32 | length 28.2
  Top Layer w0.2: U2.32@55.115,25.807 v1@56.84,27.532 ; J9.3@58.42,41.275 59.69,42.545 59.69,47.625 58.42,48.895 J4.3@58.42,50.8
  Bottom Layer w0.2: v1(56.84,27.538) 56.846,27.538 59.345,30.037 59.345,40.35 J9.3@58.42,41.275